# Allegro board MM851_V1.0_180330.brd (continued)
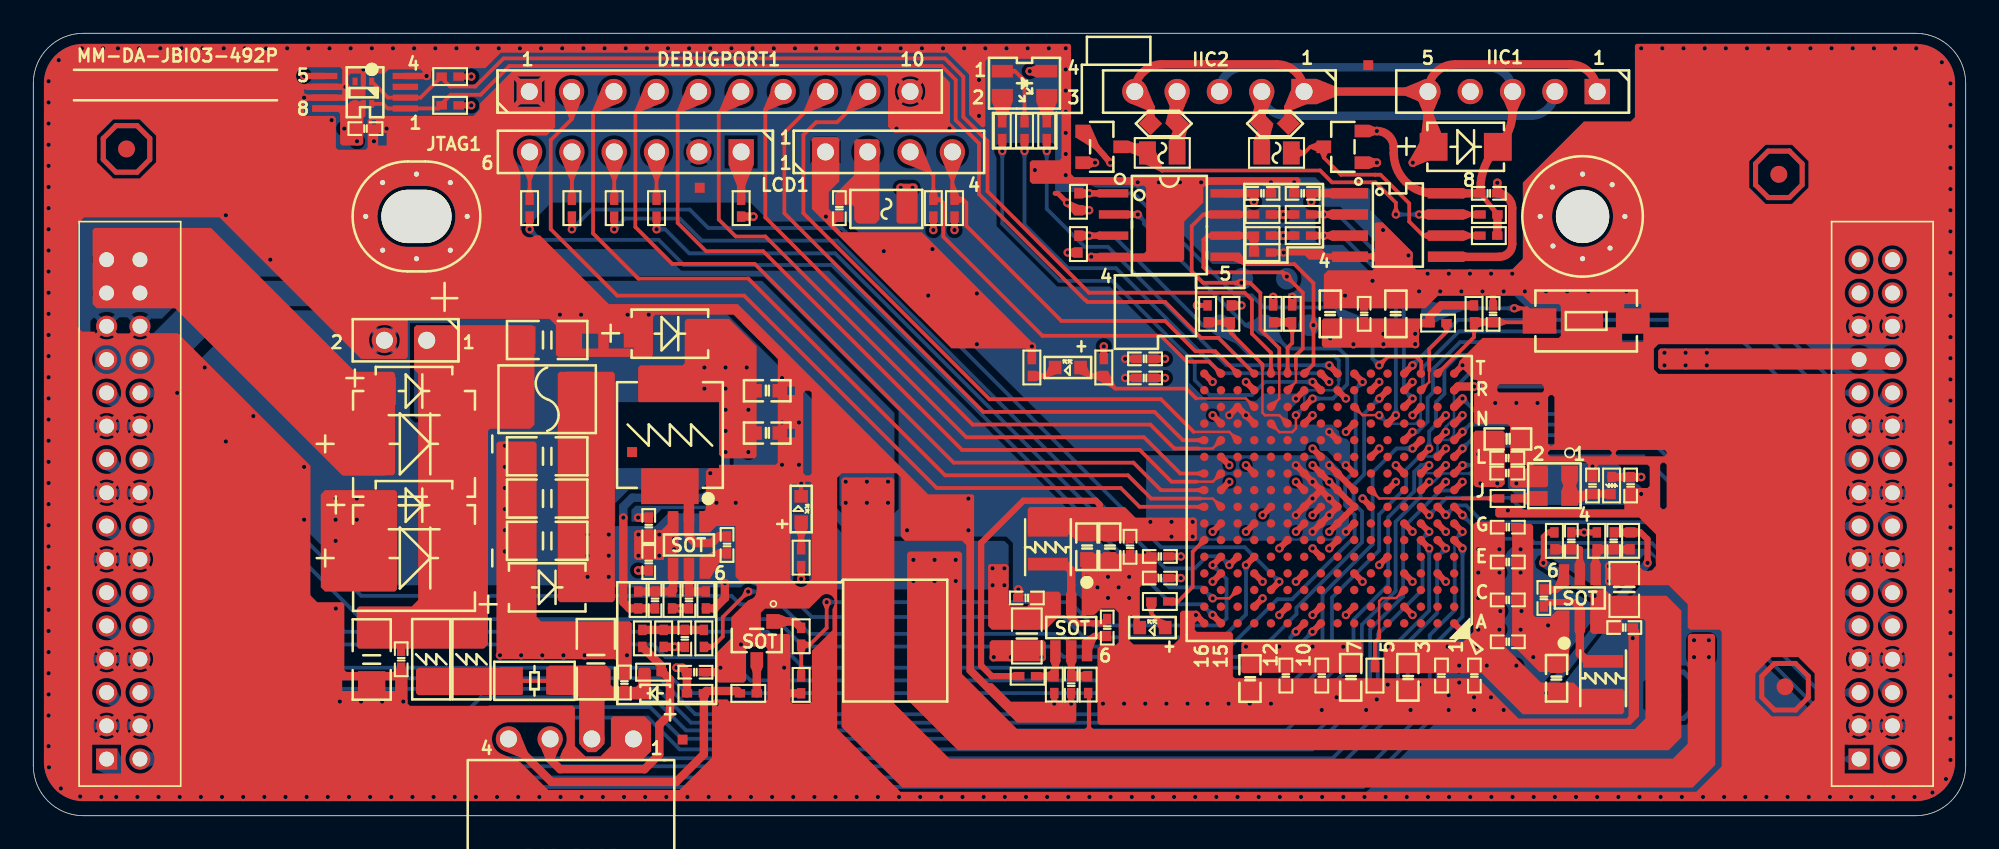
[diagram p0: board, top side]
## Nets (continued)
UART2_TX: DATA2.24 U1.T7(IO_L32N_GCLK28_2)
VFAN12V1: C31.2 C32.2 D7.2(K) FAN1.2 FB2.2 FB3.2 R20.1 R20.2 R21.2
VREF: JTAG1.1 R39.2
N16802585: C2.2 FB1.2 Y1.1(EN) Y1.4(VCC)
N16802779: LED2.1 R12.2
N16806970: D7.1(A) FAN1.3 R21.1 R24.2
N16807106: C34.2 R24.1 R25.2 R26.2
N16808479: JTAG1.6 R35.2
N16808481: JTAG1.5 R36.2
N16808483: JTAG1.3 R38.2
N16808485: JTAG1.4 R37.2
N16808579: LED3.1 R32.2 U1.P13(DONE_2)
N16809477: C37.2 F1.1 LCD1.2
N16810259: LED4.1 R42.1
N16822661: R13.2 Y1.3(OUT)
N16899304: Q1.1(B) R22.1
N16899716: Q1.3(C) R19.2
N17049079: LED1.3 R7.2
N17049112: LED1.1 R4.2
N17049250: LED1.2 R6.2
N17081806: LED3.2 R33.1
N17097069: C45.2 R43.2 U6.5(EN)
N17097175: C42.1 L1.1 U6.2(SW)
N17097179: C42.2 U6.6(VBST)
N17097207: C48.2 R44.1 R45.2 U6.4(VFB)
N17102775: C54.2 R47.1 R48.2 U7.4(VFB)
N17102788: C52.2 R46.2 U7.5(EN)
N17102894: C49.1 L2.1 U7.2(SW)
N17102898: C49.2 U7.6(VBST)
N17105484: R50.1 R51.2 U8.4(VFB)
N17105499: C58.2 R49.2 U8.5(EN)
N17105581: C55.1 L3.1 U8.2(SW)
N17105599: C55.2 U8.6(VBST)

Pads without a net: NOREF#2 0; NOREF#3 0; NOREF#5 1; NOREF#7 1; NOREF#8 1; NOREF#9 0; NOREF#10 0; NOREF#11 1; NOREF#12 1; NOREF#13 1; U1 A2 A3 A4 A5 A6 A7 A8 A11 A12 A13 A14 B1 B2 B3 B5 B6 B8 B10 B12 B14 B15 B16 C1 C2 C3 C5 C6 C7 C8 C9 C10 C11 C13 C15 C16 D1 D3 D5 D6 D8 D9 D11 D12 D14 D16 E1 E2 E3 E4 E6 E7 E8 E10 E11 E12 E16 F4 F5 F6 F7 F9 F10 F12 F13 F14 F15 G5 G6 G11 G12 G14 G16 H4 H5 H11 H13 H14 J4 J11 J12 J13 J14 K5 K6 K11 K12 K14 L4 L5 L7 L8 L10 L11 L12 L13 L14 L16 M5 M6 M7 M9 M10 M11 M12 M13 N3 N4 N6 N8 N9 N14 N16 P2 P5 P6 P8 P9 P11 P15 P16 R2 R7 R12 R14 R15 R16 T5 T6; U2 3; U9 3

## Via types
v1: diameter 0.508, hole 0.254, TOP to BOTTOM, 631 vias

## Routing (per net, layer and track width the routed paths; a pad name or vN(x,y) marks a point on that pad's centre or on a via; arc(x,y) is an arc through that point)
GND: length 481.2
  TOP w0.305: 110.83,28.63 DATA1.28 ; DATA1.28 110.83,30.17 ; DATA1.28 112.37,30.17 ; DATA1.28 112.37,28.63 ; DATA1.8 112.37,10.17 ; DATA1.8 110.83,10.17 ; DATA1.8 110.83,8.63 ; DATA1.8 112.37,8.63 ; 5.63,8.63 DATA2.8 ; DATA2.8 7.17,8.63 ; DATA2.8 5.63,10.17 ; DATA2.8 7.17,10.17 ; DATA1.17 110.37,18.63 ; DATA1.17 108.83,18.63 ; DATA1.17 108.83,20.17 ; DATA1.17 110.37,20.17 ; DEBUGPORT1.1 30.7,44.43 ; DEBUGPORT1.1 28.85,44.43 ; DEBUGPORT1.1 28.73,42.46 ; DEBUGPORT1.1 30.81,42.46 ; 108.83,28.63 DATA1.27 ; DATA1.27 108.83,30.17 ; DATA1.27 110.37,28.63 ; DATA1.27 110.37,30.17 ; DATA2.22 5.63,24.17 ; DATA2.22 5.63,22.63 ; DATA2.22 7.17,24.17 ; DATA2.22 7.17,22.63 ; 5.63,4.63 DATA2.4 ; DATA2.4 7.17,6.17 ; DATA2.4 5.63,6.17 ; DATA2.4 7.17,4.63 ; DATA2.13 5.17,14.63 ; DATA2.13 3.63,14.63 ; DATA2.13 3.63,16.17 ; DATA2.13 5.17,16.17 ; 20.21,27.7 CON1.2 ; CON1.2 21.94,27.7 ; CON1.2 20.21,29.42 ; CON1.2 21.94,29.42 ; U2.2 v1(19.81,44.83) ; DATA1.3 110.37,6.17 ; DATA1.3 110.37,4.63 ; DATA1.3 108.83,4.63 ; DATA1.3 108.83,6.17 ; DATA2.18 7.17,20.17 ; DATA2.18 5.63,20.17 ; DATA2.18 5.63,18.63 ; DATA2.18 7.17,18.63 ; DATA1.22 112.37,24.17 ; DATA1.22 110.83,22.63 ; DATA1.22 110.83,24.17 ; DATA1.22 112.37,22.63 ; DEBUGPORT1.10 53.5,42.64 ; DEBUGPORT1.10 51.77,44.36 ; DEBUGPORT1.10 51.77,42.64 ; DEBUGPORT1.10 53.5,44.36 ; DATA2.7 5.17,10.17 ; DATA2.7 3.63,8.63 ; DATA2.7 5.17,8.63 ; DATA2.7 3.63,10.17 ; DATA2.3 5.17,4.63 ; DATA2.3 3.63,4.63 ; DATA2.3 3.63,6.17 ; DATA2.3 5.17,6.17 ; 110.83,18.63 DATA1.18 ; DATA1.18 112.37,20.17 ; DATA1.18 112.37,18.63 ; DATA1.18 110.83,20.17 ; 5.63,16.17 DATA2.14 ; DATA2.14 7.17,14.63 ; DATA2.14 5.63,14.63 ; DATA2.14 7.17,16.17 ; 110.83,14.63 DATA1.14 ; DATA1.14 112.37,16.17 ; DATA1.14 110.83,16.17 ; DATA1.14 112.37,14.63 ; DATA2.21 3.63,24.17 ; DATA2.21 5.17,22.63 ; DATA2.21 5.17,24.17 ; DATA2.21 3.63,22.63 ; 5.17,28.63 DATA2.27 3.63,28.63 ; 110.83,4.63 DATA1.4 ; DATA1.4 110.83,6.17 ; DATA1.4 112.37,6.17 ; DATA1.4 112.37,4.63 ; DATA1.21 110.37,24.17 ; DATA1.21 110.37,22.63 ; DATA1.21 108.83,24.17 ; DATA1.21 108.83,22.63 ; R5.1 v1(69.86,30.66) ; DATA2.17 3.63,20.17 ; DATA2.17 5.17,20.17 ; DATA2.17 3.63,18.63 ; DATA2.17 5.17,18.63 ; DATA1.13 110.37,14.63 ; DATA1.13 108.83,16.17 ; DATA1.13 108.83,14.63 ; DATA1.13 110.37,16.17 ; 5.63,28.63 DATA2.28 7.17,28.63 ; DATA1.7 110.37,10.17 ; DATA1.7 110.37,8.63 ; DATA1.7 108.83,8.63 ; DATA1.7 108.83,10.17 ; 16.1,43.78 16.45,43.78
  TOP w0.381: U9.4 v1(23.61,44.43) ; U1.N13 v1(72.79,24.06) U1.P14 v1(71.79,24.06) ; v1(18.73,43.78) U9.6 16.45,43.78 ; v1(77.79,17.06) U1.G8 U1.H7 78.97,18.88 U1.J8 v1(77.79,20.06) U1.K9 v1(76.79,21.06) ; U1.T1 v1(85.79,27.06) ; U5.4 v1(63.51,33.58) ; C36.1 87.63,31.37 ; v1(16.26,43.13) U9.7 18.7,43.13 ; U1.P3 v1(82.79,24.06) ; U1.L2 v1(84.79,22.06) ; C17.1 v1(65.54,27.44) ; U1.M8 v1(77.79,23.06) ; R48.1 v1(93.09,17.02) C52.1 ; U1.R6 v1(80.79,26.06) ; U1.H9 v1(76.79,18.06) ; U1.B11 v1(74.79,12.06) ; U1.H12 v1(73.79,18.06) ; C58.1 v1(62.31,6.73) ; U1.T16 v1(70.79,26.06) ; U1.D4 v1(82.79,14.06) ; U1.J5 v1(81.79,20.06) ; U1.R10 v1(75.79,25.06) ; U1.K7 v1(78.79,21.06) ; U1.G2 v1(84.79,17.06) ; U1.G15 v1(70.79,17.06) ; U1.A1 v1(85.79,11.06) ; U1.B7 v1(78.79,12.06) ; C15.1 v1(65.54,26.3) ; v1(73.79,14.06) U1.D13 ; U1.L15 v1(71.79,21.06) ; U1.E9 v1(76.79,16.06) ; R51.1 v1(61.29,6.73) ; U1.A16 v1(69.79,12.06)
  TOP w0.508: C45.1 v1(38.85,12.45) R45.1 ; C28.1 v1(75.69,38.05) ; C35.1 v1(74.3,38.05) ; R26.1 v1(38.48,10.14) C34.1 ; C56.1 v1(59.13,13.59) ; C39.1 v1(36.31,14.73) ; C43.1 v1(36.31,17.91) ; R23.1 45.45,7.35 ; R2.1 v1(75.57,31.16) ; C33.1 41.2,8.62
  ART02 w0.305: 110.83,16.17 DATA1.14 ; DATA1.14 112.37,14.63 ; DATA1.14 112.37,16.17 ; DATA1.14 110.83,14.63 ; 110.83,10.17 DATA1.8 ; DATA1.8 112.37,8.63 ; DATA1.8 112.37,10.17 ; DATA1.8 110.83,8.63 ; DATA2.8 7.17,10.17 ; DATA2.8 5.63,10.17 ; DATA2.8 7.17,8.63 ; DATA2.8 5.63,8.63 ; DATA2.22 7.17,22.63 ; DATA2.22 5.63,22.63 ; DATA2.22 7.17,24.17 ; DATA2.22 5.63,24.17 ; DATA1.13 110.37,14.63 ; DATA1.13 110.37,16.17 ; DATA1.13 108.86,16.14 ; DATA1.13 108.86,14.66 ; DATA1.7 110.37,10.17 ; DATA1.7 108.86,10.14 ; DATA1.7 108.86,8.66 ; DATA1.7 110.37,8.63 ; 5.63,4.63 DATA2.4 ; DATA2.4 7.17,4.63 ; DATA2.4 5.63,6.17 ; DATA2.4 7.17,6.17 ; DATA1.22 112.37,24.17 ; DATA1.22 112.37,22.63 ; DATA1.22 110.83,22.63 ; DATA1.22 110.83,24.17 ; 5.63,30.17 DATA2.28 ; DATA2.28 7.17,28.63 ; DATA2.28 7.17,30.17 ; DATA2.28 5.63,28.63 ; DATA1.17 110.37,20.17 ; DATA1.17 110.37,18.63 ; DATA1.17 108.86,20.14 ; DATA1.17 108.86,18.66 ; DATA1.27 110.21,30.01 ; DATA1.27 110.37,28.63 ; DATA1.27 108.86,28.66 ; 3.63,8.63 DATA2.7 ; DATA2.7 3.63,10.17 ; DATA2.7 5.17,8.63 ; DATA2.7 5.17,10.17 ; DATA1.4 112.37,4.63 ; DATA1.4 112.37,6.17 ; DATA1.4 110.83,4.63 ; DATA1.4 110.83,6.17 ; 3.63,28.63 DATA2.27 ; DATA2.27 5.17,30.17 ; DATA2.27 5.17,28.63 ; DATA2.27 3.63,30.17 ; 110.83,20.17 DATA1.18 ; DATA1.18 110.83,18.63 ; DATA1.18 112.37,18.63 ; DATA1.18 112.37,20.17 ; 3.63,18.63 DATA2.17 ; DATA2.17 3.63,20.17 ; DATA2.17 5.17,20.17 ; DATA2.17 5.17,18.63 ; 3.63,16.17 DATA2.13 ; DATA2.13 5.17,16.17 ; DATA2.13 3.63,14.63 ; DATA2.13 5.17,14.63 ; DATA1.3 110.37,4.63 ; DATA1.3 108.86,4.66 ; DATA1.3 108.86,6.14 ; DATA1.3 110.37,6.17 ; DATA1.28 110.99,30.01 ; DATA1.28 112.37,28.63 ; DATA1.28 110.83,28.63 ; DATA1.28 112.21,30.01 ; DATA2.3 5.17,4.63 ; DATA2.3 5.17,6.17 ; DATA2.3 3.63,6.17 ; DATA2.3 3.63,4.63 ; 5.63,18.63 DATA2.18 ; DATA2.18 7.17,18.63 ; DATA2.18 5.63,20.17 ; DATA2.18 7.17,20.17 ; 3.63,24.17 DATA2.21 ; DATA2.21 3.63,22.63 ; DATA2.21 5.17,22.63 ; DATA2.21 5.17,24.17 ; 5.63,16.17 DATA2.14 ; DATA2.14 5.63,14.63 ; DATA2.14 7.17,16.17 ; DATA2.14 7.17,14.63 ; DATA1.21 108.86,22.66 ; DATA1.21 110.37,24.17 ; DATA1.21 108.86,24.14 ; DATA1.21 110.37,22.63
  ART03 w0.305: 3.57,28.57 DATA2.27 ; DATA2.27 5.23,28.57 ; DATA2.27 3.57,30.23 ; DATA2.27 5.23,30.23 ; DATA2.22 7.23,22.57 ; DATA2.22 7.23,24.23 ; DATA2.22 5.57,22.57 ; DATA2.22 5.57,24.23 ; 3.57,14.57 DATA2.13 ; DATA2.13 5.23,16.23 ; DATA2.13 5.23,14.57 ; DATA2.13 3.57,16.23 ; JTAG1.2 40.87,40.79 ; JTAG1.2 40.87,38.96 ; JTAG1.2 39.03,38.96 ; JTAG1.2 39.03,40.79 ; DATA2.18 7.23,18.57 ; DATA2.18 7.23,20.23 ; DATA2.18 5.57,18.57 ; DATA2.18 5.57,20.23 ; DEBUGPORT1.10 53.55,42.58 ; DEBUGPORT1.10 53.55,44.42 ; DEBUGPORT1.10 51.72,42.58 ; DEBUGPORT1.10 51.72,44.42 ; DATA1.3 110.43,4.57 ; DATA1.3 108.77,6.23 ; DATA1.3 110.43,6.23 ; DATA1.3 108.77,4.57 ; 110.77,20.23 DATA1.18 ; DATA1.18 112.43,18.57 ; DATA1.18 112.43,20.23 ; DATA1.18 110.77,18.57 ; DATA1.21 110.43,22.57 ; DATA1.21 108.77,24.23 ; DATA1.21 108.77,22.57 ; DATA1.21 110.43,24.23 ; 110.77,16.23 DATA1.14 ; DATA1.14 110.77,14.57 ; DATA1.14 112.43,16.23 ; DATA1.14 112.43,14.57 ; 3.57,22.57 DATA2.21 ; DATA2.21 5.23,22.57 ; DATA2.21 3.57,24.23 ; DATA2.21 5.23,24.23 ; 20.16,29.48 CON1.2 ; CON1.2 21.99,27.64 ; CON1.2 21.99,29.48 ; CON1.2 20.16,27.64 ; DATA1.28 112.43,28.57 ; DATA1.28 112.43,30.23 ; DATA1.28 110.77,30.23 ; DATA1.28 110.77,28.57 ; 5.57,6.23 DATA2.4 ; DATA2.4 5.57,4.57 ; DATA2.4 7.23,6.23 ; DATA2.4 7.23,4.57 ; DATA2.3 5.23,4.57 ; DATA2.3 3.57,6.23 ; DATA2.3 3.57,4.57 ; DATA2.3 5.23,6.23 ; DATA2.7 5.23,10.23 ; DATA2.7 3.57,10.23 ; DATA2.7 5.23,8.57 ; DATA2.7 3.57,8.57 ; DATA1.7 110.43,8.57 ; DATA1.7 108.77,10.23 ; DATA1.7 108.77,8.57 ; DATA1.7 110.43,10.23 ; 110.77,22.57 DATA1.22 ; DATA1.22 112.43,22.57 ; DATA1.22 110.77,24.23 ; DATA1.22 112.43,24.23 ; 46.64,40.79 LCD1.1 ; LCD1.1 48.47,40.79 ; LCD1.1 48.47,38.96 ; LCD1.1 46.64,38.96 ; 28.86,42.58 DEBUGPORT1.1 ; DEBUGPORT1.1 30.69,44.42 ; DEBUGPORT1.1 28.86,44.42 ; DEBUGPORT1.1 30.69,42.58 ; DATA2.28 7.23,28.57 ; DATA2.28 5.57,28.57 ; DATA2.28 5.57,30.23 ; DATA2.28 7.23,30.23 ; 3.57,18.57 DATA2.17 ; DATA2.17 5.23,20.23 ; DATA2.17 3.57,20.23 ; DATA2.17 5.23,18.57 ; 108.77,28.57 DATA1.27 ; DATA1.27 110.43,30.23 ; DATA1.27 108.77,30.23 ; DATA1.27 110.43,28.57 ; DATA1.17 110.43,18.57 ; DATA1.17 110.43,20.23 ; DATA1.17 108.77,18.57 ; DATA1.17 108.77,20.23 ; DATA2.14 7.23,16.23 ; DATA2.14 7.23,14.57 ; DATA2.14 5.57,14.57 ; DATA2.14 5.57,16.23 ; 108.77,14.57 DATA1.13 ; DATA1.13 110.43,16.23 ; DATA1.13 110.43,14.57 ; DATA1.13 108.77,16.23 ; 110.77,10.23 DATA1.8 ; DATA1.8 110.77,8.57 ; DATA1.8 112.43,10.23 ; DATA1.8 112.43,8.57 ; 35.11,5.53 FAN1.1 ; FAN1.1 36.94,5.53 ; FAN1.1 36.94,3.69 ; FAN1.1 35.11,3.69 ; DATA2.8 7.23,8.57 ; DATA2.8 5.57,10.23 ; DATA2.8 7.23,10.23 ; DATA2.8 5.57,8.57 ; 110.77,6.23 DATA1.4 ; DATA1.4 110.77,4.57 ; DATA1.4 112.43,4.57 ; DATA1.4 112.43,6.23
  BOTTOM w0.305: 3.57,30.23 DATA2.27 5.23,30.23 ; 51.77,44.36 DEBUGPORT1.10 ; DEBUGPORT1.10 51.77,42.64 ; DEBUGPORT1.10 53.5,42.64 ; DEBUGPORT1.10 53.5,44.36 ; DATA1.28 110.83,30.17 ; DATA1.28 110.83,28.63 ; DATA1.28 112.37,30.17 ; DATA1.28 112.37,28.63 ; JTAG1.2 40.81,40.74 ; JTAG1.2 40.81,39.01 ; JTAG1.2 39.09,40.74 ; JTAG1.2 39.09,39.01 ; LCD1.1 48.59,40.92 ; LCD1.1 48.59,38.83 ; LCD1.1 46.51,38.83 ; LCD1.1 46.51,40.92 ; 5.57,30.23 DATA2.28 7.23,30.23 ; 110.37,28.63 DATA1.27 ; DATA1.27 108.83,28.63 ; DATA1.27 108.83,30.17 ; DATA1.27 110.37,30.17 ; DEBUGPORT1.1 30.81,42.46 ; DEBUGPORT1.1 30.81,44.54 ; DEBUGPORT1.1 28.73,44.54 ; DEBUGPORT1.1 28.73,42.46
  BOTTOM w0.508: 2.93,15.4 DATA2.13 DATA2.14 ; 113.07,15.4 DATA1.14 DATA1.13 ; DATA2.22 DATA2.21 2.93,23.4 ; CON1.2 21.99,29.48 ; CON1.2 21.99,27.64 ; CON1.2 20.16,29.48 ; CON1.2 20.16,27.64 ; 113.07,9.4 DATA1.8 DATA1.7 ; DATA2.4 DATA2.3 2.93,5.4 ; DATA1.17 DATA1.18 113.07,19.4 ; DATA2.8 DATA2.7 2.93,9.4 ; DATA1.3 DATA1.4 113.07,5.4 ; DATA1.21 DATA1.22 113.07,23.4 ; DATA2.18 DATA2.17 2.93,19.4
  vias: v1(0.92,44.12) v1(0.92,42.85) v1(0.92,41.58) v1(0.92,40.31) v1(0.92,39.04) v1(0.92,37.77) v1(0.92,36.5) v1(0.92,35.23) v1(0.92,33.96) v1(0.92,32.69) v1(0.92,31.42) v1(0.92,30.15) v1(0.92,28.88) v1(0.92,27.61) v1(0.92,26.34) v1(0.92,25.07) v1(0.92,23.8) v1(0.92,22.53) v1(0.92,21.26) v1(0.92,19.99) v1(0.92,18.72) v1(0.92,17.45) v1(0.92,16.18) v1(0.92,14.91) v1(0.92,13.64) v1(0.92,12.37) v1(0.92,11.1) v1(0.92,9.83) v1(0.92,8.56) v1(0.92,7.29) v1(0.92,6.02) v1(0.92,4.18) v1(0.94,2.91) v1(1.53,45.39) v1(1.65,1.64) v1(2.81,1.15) v1(2.92,46.1) v1(4.08,1.13) v1(4.19,46.1) v1(4.98,1.13) v1(5.08,46.1) v1(6.25,1.13) v1(6.35,46.1) v1(7.52,1.13) v1(7.62,46.1) v1(8.64,25.4) v1(8.79,1.13) v1(8.89,46.1) v1(10.06,1.13) v1(10.16,46.1) v1(10.29,26.92) v1(11.33,1.13) v1(11.43,46.1) v1(11.56,36.07) v1(11.56,22.48) v1(12.6,1.13) v1(12.7,46.1) v1(13.21,24) v1(13.87,1.13) v1(13.97,46.1) v1(14.22,33.4) v1(15.14,1.13) v1(15.24,46.1) v1(16.26,20.95) v1(16.26,17.78) v1(16.41,1.13) v1(16.51,46.1) v1(17.68,1.13) v1(17.78,46.1) v1(17.91,41.78) v1(18.16,12.45) v1(18.4,6.86) v1(18.95,1.13) v1(19.05,46.1) v1(19.67,6.86) v1(20.22,1.13) v1(20.32,46.1) v1(20.45,40.51) v1(20.94,6.86) v1(21.21,41.27) v1(21.49,1.13) v1(21.59,46.1) v1(22.21,6.86) v1(22.76,1.13) v1(22.86,46.1) v1(24.03,1.13) v1(24.13,46.1) v1(25.3,1.13) v1(25.4,46.1) v1(26.57,1.13) v1(26.67,46.1) v1(27.84,1.13) v1(27.94,46.1) v1(28.02,9.64) v1(28.31,22.23) v1(28.31,20.95) v1(28.31,19.68) v1(28.31,18.41) v1(28.31,17.14) v1(28.31,15.88) v1(29.11,1.13) v1(29.21,46.1) v1(29.29,9.64) v1(30.38,1.13) v1(30.48,46.1) v1(30.56,9.64) v1(31.61,30.1) v1(31.65,1.13) v1(31.75,46.1) v1(31.83,9.64) v1(32.88,30.1) v1(32.92,1.13) v1(33.02,46.1) v1(33.1,9.64) v1(34.19,1.13) v1(34.29,46.1) v1(35.46,1.13) v1(35.56,46.1) v1(35.64,9.64) v1(35.67,30.1) v1(36.73,1.13) v1(36.83,46.1) v1(36.94,30.1) v1(38,1.13) v1(38.1,46.1) v1(39.27,1.13) v1(39.37,46.1) v1(40.54,1.13) v1(40.64,46.1) v1(40.64,20.57) v1(41.01,18.8) v1(41.02,6.71) v1(41.25,8.89) v1(41.81,1.13) v1(41.91,46.1) v1(42.16,18.8) v1(42.48,10.29) v1(43.08,1.13) v1(43.18,46.1) v1(44.35,1.13) v1(44.45,46.1) v1(44.94,26.29) v1(44.94,23.62) v1(44.94,21.08) v1(45.07,8.89) v1(45.62,1.13) v1(45.72,46.1) v1(45.96,23.62) v1(45.96,21.08) v1(46.09,19.95) v1(46.89,1.13) v1(46.99,46.1) v1(47.58,35.99) v1(48.16,1.13) v1(48.26,46.1) v1(49.43,1.13) v1(49.53,46.1) v1(50.7,1.13) v1(50.8,46.1) v1(51.05,33.91) v1(51.82,41.27) v1(51.97,1.13) v1(52.07,46.1) v1(52.45,17.14) v1(53.24,1.13) v1(53.34,46.1) v1(53.72,31.24) v1(53.98,34.04) v1(54.51,1.13) v1(54.61,46.1) v1(54.99,41.27) v1(55.78,1.13) v1(55.88,46.1) v1(56.13,19.05) v1(56.13,17.14) v1(56.64,31.37) v1(56.64,28.32) v1(56.77,44.2) v1(56.77,42.04) v1(57.05,1.13) v1(57.15,46.1) v1(57.66,9.53) v1(58.32,1.13) v1(58.42,46.1) v1(58.67,9.53) v1(59.59,1.13) v1(59.69,46.1) v1(59.94,28.19) v1(60.12,38.78) v1(60.53,9.53) v1(60.86,1.13) v1(60.96,46.1) v1(61.98,46.1) v1(61.98,44.83) v1(61.98,43.56) v1(61.98,42.29) v1(61.98,41.02) v1(61.98,39.75) v1(61.98,38.48) v1(62.13,1.13) v1(63.25,14.35) v1(63.4,1.13) v1(63.88,13.72) v1(64.21,6.73) v1(64.52,14.35) v1(64.52,13.08) v1(64.67,1.13) v1(65.15,13.72) v1(65.48,6.73) v1(65.79,14.35) v1(65.79,13.08) v1(65.94,1.13) v1(66.29,38.05) v1(66.75,6.73) v1(67.21,1.13) v1(67.56,38.05) v1(68.02,6.73) v1(68.48,1.13) v1(68.83,38.05) v1(69.29,6.73) v1(69.75,1.13) v1(70.1,38.05) v1(70.48,6.73) v1(71.02,1.13) v1(71.75,6.73) v1(72.29,1.13) v1(73.03,6.73) v1(73.56,1.13) v1(74.3,6.73) v1(74.83,1.13) v1(75.06,33.83) v1(76.1,1.13) v1(77.34,6.35) v1(77.37,1.13) v1(78.23,7.11) v1(78.64,1.13) v1(78.74,31.24) v1(79.91,1.13) v1(80.01,6.35) v1(80.39,32.13) v1(80.64,6.99) v1(81.03,35.18) v1(81.18,1.13) v1(81.31,7.87) v1(82.45,1.13) v1(82.55,33.66) v1(82.68,6.35) v1(83.19,31.5) v1(83.21,7.87) v1(83.7,32.56) v1(83.72,1.13) v1(84.45,31.5) v1(84.97,32.56) v1(84.96,7.24) v1(84.96,6.35) v1(84.99,1.13) v1(85.6,8) v1(85.72,31.5) v1(86.24,32.56) v1(86.26,1.13) v1(86.49,7.11) v1(86.49,6.35) v1(87,31.5) v1(87.51,32.56) v1(87.5,7.11) v1(87.53,1.13) v1(87.76,24.79) v1(88.27,31.5) v1(88.27,6.35) v1(88.52,18.34) v1(88.78,32.56) v1(88.8,1.13) v1(89.03,24.79) v1(89.03,19.96) v1(89.28,16) v1(89.28,14.61) v1(89.33,12.29) v1(89.28,11.18) v1(89.53,31.5) v1(89.53,20.95) v1(90.04,9.53) v1(90.07,1.13) v1(90.3,24.79) v1(90.81,31.5) v1(90.93,11.43) v1(91.34,1.13) v1(92.08,31.5) v1(92.61,1.13) v1(93.34,31.5) v1(93.6,20.98) v1(93.88,1.13) v1(94.59,14.99) v1(94.59,14.1) v1(95.15,1.13) v1(95.63,31.5) v1(96.01,10.67) v1(96.42,1.13) v1(96.52,46.1) v1(96.52,19.33) v1(97.69,1.13) v1(97.79,46.1) v1(98.96,1.13) v1(99.06,46.1) v1(100.23,1.13) v1(100.33,46.1) v1(101.5,1.13) v1(101.6,46.1) v1(102.77,1.13) v1(102.87,46.1) v1(104.04,1.13) v1(104.14,46.1) v1(105.31,1.13) v1(105.41,46.1) v1(106.58,1.13) v1(106.68,46.1) v1(107.85,1.13) v1(107.95,46.1) v1(109.12,1.13) v1(109.22,46.1) v1(110.39,1.13) v1(110.49,46.1) v1(111.66,1.13) v1(111.76,46.1) v1(112.93,1.13) v1(113.03,46.1) v1(114,1.39) v1(114.57,45.26) v1(114.81,2.21) v1(115.09,43.99) v1(115.09,42.72) v1(115.09,41.45) v1(115.09,40.18) v1(115.09,38.91) v1(115.09,37.64) v1(115.09,36.37) v1(115.09,35.1) v1(115.09,33.83) v1(115.09,32.56) v1(115.09,31.29) v1(115.09,30.02) v1(115.09,28.75) v1(115.09,27.48) v1(115.09,26.21) v1(115.09,24.94) v1(115.09,23.67) v1(115.09,22.4) v1(115.09,21.13) v1(115.09,19.86) v1(115.09,18.59) v1(115.09,17.32) v1(115.09,16.05) v1(115.09,14.78) v1(115.09,13.51) v1(115.09,12.24) v1(115.09,10.97) v1(115.09,9.7) v1(115.09,8.43) v1(115.09,7.16) v1(115.09,5.89) v1(115.09,4.62) v1(115.09,3.35)
GND_IIC: length 76.6
  TOP w0.381: D1.1 v1(64.65,39.23)
  TOP w0.508: v1(82.81,39.23) 83.76,40.18 TVS1.1 arc(83.81,40.55) 83.72,40.99 IIC1.5 ; v1(87.88,38.02) C27.1 arc(88.52,37.12) 88.78,36.49 88.78,34.34 arc(88.56,33.8) 88.02,33.58 U4.5 ; D2.1 v1(80.65,39.23) ; IIC2.1 75.34,42.56 E2.2 ; IIC2.1 IIC1.5 ; IIC2.1 arc(75.8,44.65) 74.65,45.13 67.75,45.13 arc(66.6,44.65) IIC2.5 67.06,42.56 E1.2 ; IIC1.5 arc(84.2,44.65) 85.35,45.13 92.25,45.13 arc(93.4,44.65) IIC1.1
  ART02 w0.508: v1(64.65,39.23) v1(80.65,39.23) v1(82.81,39.23) arc(85.42,38.92) v1(87.88,38.02)
VCC1V2: length 32
  TOP w0.381: U1.J7 U1.K8 v1(77.79,21.06) ; U1.G7 v1(78.79,17.06) ; U1.H10 76.62,18.88 ; U1.H10 76.62,18.88 ; U1.H10 v1(75.79,18.06) ; 76.62,18.88 v1(76.79,19.06) U1.J9 ; 76.62,18.88 U1.J9 ; R50.2 57.53,8.38 56.9,9.02 56.9,16.38 59.44,18.92 63.78,18.92 64.01,18.69 64.01,18.29 ; U1.J9 v1(76.79,20.06) U1.K10 v1(75.79,21.06) ; U1.J9 v1(77.79,19.06) U1.H8 ; U1.J9 U1.H8 ; U1.H8 v1(77.8,18.06) U1.G9 v1(76.79,17.06)
  vias: v1(67.06,17.65) v1(68.33,17.65) v1(68.33,16.76) v1(69.6,17.65) v1(69.6,16.76)
VCC3V3: length 56.9
  TOP w0.305: R3.1 v1(72.52,30.66) ; 61.34,37.39 61.5,37.39 v1(62.06,36.83) 62.52,36.37 R31.2
  TOP w0.381: U1.D15 v1(70.79,14.06) ; C17.2 v1(67.93,27.44) ; U1.F8 v1(77.79,16.06) ; U1.J10 v1(75.79,20.06) ; R27.1 v1(62.1,33.83) ; U1.N7 v1(78.8,23.06) ; U1.N15 v1(70.79,24.06) ; R31.2 v1(63.38,36.37) ; R40.2 v1(54.03,35.18) ; U1.N10 v1(76.79,24.06) ; U1.K13 v1(72.79,21.06) ; R41.2 v1(55.3,35.18) ; 25.53,42.67 v1(26.29,42.67) ; U1.H6 v1(79.79,19.06) ; U1.R13 v1(72.79,26.06) ; U1.L6 v1(80.79,22.06) ; U1.R4 v1(82.79,26.06) ; R32.1 v1(64.26,28.19) ; C18.2 v1(68.88,14.27) ; 25.53,44.4 v1(26.29,44.4) ; U1.L9 v1(76.79,22.06) ; U1.G13 v1(72.79,17.06) ; R42.2 v1(46.09,14.22) ; U1.E5 v1(80.79,15.06) ; C16.2 v1(68.88,15.57) ; U1.F11 v1(74.79,16.06) ; U1.G10 v1(75.79,17.06) ; U1.R8 78.3,25.56 v1(78.79,25.06) ; U1.J15 v1(71.79,20.06) ; U9.5 v1(16.26,44.43) ; C15.2 v1(67.93,26.3)
  TOP w0.508: R29.2 v1(75.06,34.85) R17.2 ; R28.1 v1(75.06,36.12) R16.2 ; v1(76.71,36.88) C28.2 U4.1 ; v1(73.28,36.88) C35.2 U5.8 ; v1(35.42,17.91) 35.42,12.82 35.79,12.45 R44.2 C48.1 ; R1.1 v1(74.43,31.16) ; R34.1 84.5,30.66 83.82,29.97 R8.1 ; LED1.4 v1(59.82,44.72) ; v1(38.61,8.89) 38.97,8.89 C33.2 R18.1 ; R39.1 v1(43.23,35.99)
  BOTTOM w0.508: v1(41.55,21.84) 41.55,20.38 40.27,19.1 35.95,19.1 35.42,18.57 v1(35.42,17.91)
  vias: v1(18.67,41.27) v1(19.43,40.51) v1(40.28,26.92) v1(40.28,25.65) v1(41.55,26.92) v1(41.55,25.65) v1(41.55,24.38) v1(41.55,23.11) v1(42.82,26.92) v1(42.93,24.38) v1(42.93,21.84) v1(52.07,37.72) v1(52.78,37.72) v1(77.85,28.68) v1(79.25,28.32) v1(81.05,28.95) v1(81.05,28.33) v1(82.95,28.95) v1(82.95,28.33)
VCC12V: length 8.3
  TOP w0.305: R46.1 90.9,17.02 90.64,16.76 v1(90.64,15.19)
  TOP w0.508: R43.1 40.89,12.45 41.52,13.08 v1(41.52,13.97)
  BOTTOM w0.508: v1(93.73,13.21) v1(90.64,15.19)
  vias: v1(33.27,16.89) v1(33.27,15.62) v1(33.27,14.35) v1(34.54,16.89) v1(34.54,15.62) v1(34.54,14.35) v1(36.32,16.89) v1(36.32,15.62) v1(37.58,16.89) v1(37.58,15.62) v1(38.47,16.64) v1(38.47,16) v1(52.83,15.37) v1(52.83,14.1) v1(54.1,15.37) v1(54.1,14.1) v1(55.37,15.37) v1(55.37,14.1) v1(57.58,14.86) v1(57.58,13.84) v1(58.29,14.86) v1(58.29,13.84)
VCC12VIN_1:
  vias: v1(18.15,19.05) v1(18.15,17.78) v1(18.15,16.51) v1(19.42,19.05) v1(19.42,17.78)
VCCIO: length 22.4
  TOP w0.381: U1.K4 v1(81.79,21.06) ; U1.D2 v1(84.79,14.06) ; U1.N2 v1(84.79,24.06) ; U1.J2 v1(84.79,20.06) ; C54.1 R47.2 96.48,17.02 96.9,16.6 v1(96.9,15.19) ; U1.B13 v1(73.79,13.06) ; U1.D7 v1(79.79,14.06) ; U1.B4 v1(82.79,12.06) ; U1.G4 82.3,17.56 v1(82.79,17.06) ; U1.D10 v1(75.79,14.06) ; U1.B9 v1(76.79,12.06)
  TOP w0.508: FB1.1 C3.2 v1(96.52,20.34)
  BOTTOM w0.508: v1(90.81,7.37) v1(96.9,15.19)
  vias: v1(48.77,20.07) v1(48.77,18.8) v1(50.04,20.07) v1(50.04,18.8) v1(51.31,20.07) v1(51.31,18.8) v1(72.79,10.16) v1(74.79,10.16) v1(76.79,10.16) v1(78.64,10.15) v1(81.3,10.16) v1(83.1,10.16) v1(84.9,10.16) v1(85.6,9.02) v1(86.74,21.72) v1(86.74,16) v1(86.74,14.61) v1(86.74,13.08) v1(86.74,11.18) v1(86.69,10.16) v1(86.87,19.96) v1(87.25,9.02) v1(87.88,19.96) v1(88.01,16) v1(88.01,14.61) v1(88.01,11.18) v1(88.06,12.29) v1(89.03,9.02) v1(97.92,27.81) v1(97.92,27.05) v1(99.19,27.81) v1(99.19,27.05) v1(99.69,10.54) v1(99.69,9.53) v1(100.46,27.81) v1(100.46,27.05) v1(100.58,10.54) v1(100.58,9.53)
AUC_VIN: length 56.6
  TOP w0.305: R15.2 C27.2
  TOP w0.381: D1.2 v1(63.74,39.23)
  TOP w0.508: R15.2 87.89,35.37 87.88,35.37 R14.2 ; IIC1.3 88.8,42.32 arc(88.57,41.16) TVS1.2 arc(87.14,39.02) 86.87,37.66 C27.2 U4.8 84.08,37.39 arc(83.88,37.39) 83.69,37.42 arc(82.24,38.24) 81.67,39.8 81.67,40.11 arc(81.37,40.83) v1(80.65,41.13) D2.2
  ART02 w0.508: v1(63.74,39.23) arc(64.05,40.13) 64.9,40.56 arc(72.77,40.99) v1(80.65,41.13)
  BOTTOM w0.508: IIC1.3 arc(88.73,43.94) 88.53,44.34 arc(88.01,44.79) 87.35,44.96 72.66,44.96 arc(71.63,44.53) IIC2.3
CI_0: length 91.9
  TOP w0.381: U1.M3 82.8,22.06 v1(82.79,22.06)
  BOTTOM w0.229: DATA2.16 9.27,17.4 17.78,8.89 37.71,8.89 39.23,7.37 74.93,7.37 77.39,9.83 77.39,13.3 80.4,16.3 80.4,20.62 81.83,22.06 v1(82.79,22.06)
CI_1: length 92.3
  TOP w0.381: U1.F2 v1(84.79,16.06)
  BOTTOM w0.229: DATA2.5 5.4,6.4 9.6,6.4 12.57,3.43 26.2,3.43 26.66,2.97 78.41,2.97 82.5,7.07 82.5,10.41 84.27,12.18 84.27,15.54 v1(84.79,16.06)
CI_2: length 34.1
  TOP w0.381: U1.M2 v1(84.79,23.06)
  BOTTOM w0.152: v1(84.79,23.06) 84.79,23.36 85.28,23.85 85.28,25.64 85.42,25.78
  BOTTOM w0.229: DATA1.16 110.6,18.4 108.98,18.4 101.73,25.65 96.65,25.65 95.63,26.67 86.31,26.67 85.42,25.78
CI_3: length 31.8
  TOP w0.381: U1.H3 83.3,18.56 v1(83.79,18.06)
  BOTTOM w0.229: v1(83.79,18.06) 84.84,19.1 88.66,19.1 89.47,18.29 97.7,18.29 108.58,7.4 DATA1.5
CO_0: length 98.9
  TOP w0.381: U1.N1 v1(85.79,24.06)
  BOTTOM w0.152: v1(85.79,24.06) 85.79,23.82 85.28,23.31 85.28,22.86 84.99,22.57 84.55,22.57 84.29,22.32 84.29,21.87 83.99,21.57 83.44,21.57
  BOTTOM w0.229: DATA2.15 5.4,16.4 8.74,16.4 16.89,8.26 37.58,8.26 39.74,6.1 74.55,6.1 77.96,9.5 77.96,13.1 80.79,15.93 80.79,18.1 82.41,19.72 82.41,20.78 83.2,21.57 83.44,21.57
CO_1: length 88.9
  TOP w0.381: U1.F3 v1(83.79,16.06)
  BOTTOM w0.229: v1(83.79,16.06) 83.79,12.32 81.92,10.45 81.92,7.37 78,3.45 27.4,3.45 26.78,4.06 13.46,4.06 10.12,7.4 DATA2.6
CO_2: length 27.9
  TOP w0.508: v1(86.49,25.78) 85.52,25.78 U1.R1
  BOTTOM w0.229: DATA1.15 108.58,17.4 101.09,24.89 96.14,24.89 95.25,25.78 v1(86.49,25.78)
CO_3: length 35.5
  TOP w0.381: U1.J3 v1(83.79,20.06)
  BOTTOM w0.152: v1(83.79,20.06) 84.07,20.06 84.57,20.56 86.21,20.56
  BOTTOM w0.229: DATA1.6 110.6,8.4 109.07,8.4 108.33,9.14 108.33,9.91 96.65,21.59 88.52,21.59 87.49,20.56 86.21,20.56
DEBUG_P2: length 54.9
  TOP w0.229: DEBUGPORT1.2 32.31,41.84 31.06,40.59 31.06,35.23 35.05,31.24 42.67,31.24 54.23,19.68 65.28,19.68 66.41,18.56 U1.H16
DEBUG_P3: length 53.5
  TOP w0.152: 70.08,19.05 70.8,19.05 U1.H15
  TOP w0.229: DEBUGPORT1.3 33.6,42.25 33.6,34.98 36.32,32.26 42.93,32.26 54.74,20.45 65.71,20.45 67.11,19.05 70.08,19.05
DEBUG_P4: length 49.4
  TOP w0.229: U1.J16 67.69,19.56 66.04,21.21 55.24,21.21 43.31,33.15 38.35,33.15 36.14,35.36 36.14,42.25 DEBUGPORT1.4
DEBUG_P5: length 47.7
  TOP w0.152: U1.K15 70.8,20.07 69.85,20.07
  TOP w0.229: DEBUGPORT1.5 38.68,42.25 38.68,35.61 40.39,33.91 43.81,33.91 55.75,21.97 66.42,21.97 68.33,20.07 69.85,20.07
DEBUG_P6: length 43.7
  TOP w0.229: U1.K16 68.85,20.56 66.67,22.73 56.01,22.73 43.94,34.8 42.16,34.8 41.15,35.81 41.15,42.18 DEBUGPORT1.6
DEBUG_P7: length 41.3
  TOP w0.152: U1.M15 70.79,22.06 69.96,22.06
  TOP w0.229: 69.96,22.06 68.49,22.06 67.06,23.5 56.39,23.5 43.94,35.94 43.94,42.43 DEBUGPORT1.7
DEBUG_P8: length 39.2
  TOP w0.229: DEBUGPORT1.8 45.09,41.03 45.09,36.2 57.02,24.26 67.31,24.26 69.01,22.56 U1.M16
DEBUG_P9: length 41.4
  TOP w0.152: 69.65,23.06 71.79,23.06 U1.M14
  TOP w0.229: DEBUGPORT1.9 48.25,41.66 46.99,41.66 46.23,40.89 46.23,36.2 57.4,25.02 67.69,25.02 69.65,23.06
DI_0: length 91.9
  TOP w0.381: U1.K3 v1(83.79,21.06)
  BOTTOM w0.229: DATA2.12 10.35,13.4 16.13,7.62 37.45,7.62 39.48,5.59 74.93,5.59 79.25,9.91 79.25,11.77 81.33,13.85 81.33,17.92 82.89,19.48 82.89,20.65 83.3,21.06 v1(83.79,21.06)
DI_1: length 93.6
  TOP w0.381: U1.F1 v1(85.79,16.06)
  BOTTOM w0.229: v1(85.79,16.06) 85.79,11.97 84.3,10.47 84.3,6.19 79.83,1.72 6.08,1.72 DATA2.1
DI_2: length 31.3
  TOP w0.508: U1.P1 v1(85.79,25.06)
  BOTTOM w0.229: DATA1.12 110.6,14.4 109.17,14.4 99.44,24.13 86.72,24.13 v1(85.79,25.06)
DI_3: length 31.4
  TOP w0.381: U1.H1 v1(85.79,18.06)
  BOTTOM w0.229: v1(85.79,18.06) 87.21,16.64 89.84,16.64 90.1,16.38 97.16,16.38 107.44,6.1 107.44,4.66 108.7,3.4 DATA1.1
DO_0: length 80.4
  TOP w0.381: U1.A9 v1(76.79,11.06)
  BOTTOM w0.229: v1(76.79,11.06) 76.2,10.46 76.2,9.54 74.79,8.13 43.05,8.13 41.66,9.53 37.96,9.53 37.2,10.29 17.78,10.29 7.67,20.4 5.4,20.4 DATA2.19
DO_1: length 94.4
  TOP w0.381: U1.J1 v1(85.79,20.06)
  BOTTOM w0.229: v1(85.79,20.06) 85.27,19.54 84.47,19.54 82.23,17.3 82.23,13.18 80.25,11.2 80.25,8.24 76.63,4.62 38.93,4.62 37.02,6.53 27.43,6.53 26.23,5.33 15.49,5.33 9.43,11.4 DATA2.10
DO_2: length 33.7
  TOP w0.381: U1.L3 v1(83.79,22.06)
  BOTTOM w0.229: DATA1.19 108.2,21.4 103.19,26.42 97.28,26.42 96.01,27.69 85.55,27.69 84.71,26.85 84.71,25.35 84.2,24.84 84.2,23.49 83.79,23.08 v1(83.79,22.06)
DO_3: length 31.6
  TOP w0.381: U1.L1 v1(85.79,22.06)
  BOTTOM w0.229: v1(85.79,22.06) 86.6,22.86 98.17,22.86 108.63,12.4 110.6,12.4 DATA1.10
FAN_PWM: length 19.4
  TOP w0.508: R19.1 42.27,7.49 40.4,7.49 R18.2 40.25,3.69 38.59,2.03 31.11,2.03 FAN1.4
FAN_SPEED1: length 40
  TOP w0.229: R25.1 40.77,10.14 41.39,10.76 41.39,11.94 v1(42.91,13.46)
  TOP w0.381: U1.E13 v1(72.79,15.06)
  BOTTOM w0.229: v1(42.91,13.46) 45.21,13.46 46.74,11.94 61.85,11.94 63.07,10.72 71.42,10.72 72.79,12.09 v1(72.79,15.06)
FP_I2C_SCL: length 23
  TOP w0.508: PS2.1 E2.1 IIC2.2
  BOTTOM w0.508: IIC2.2 arc(74.17,42.47) 75.2,42.04 89.89,42.04 arc(90.91,42.47) IIC1.2
FP_I2C_SDA: length 23.7
  TOP w0.508: IIC2.4 E1.1 PS1.1
  ART03 w0.508: IIC2.4 70.88,41.28 arc(72.1,40.47) 73.54,40.18 81.67,40.18 arc(82.84,40.41) 83.84,41.08 IIC1.4
FPGA_CLK: length 7.9
  TOP w0.152: 85.77,19.06 80.79,19.06 U1.J6
  TOP w0.229: R13.1 85.77,19.06
FPGA_CS: length 27.9
  TOP w0.229: v1(80.79,27.06) 81.32,27.58 83.01,27.58 83.32,27.27 83.32,26.58 U1.T3
  TOP w0.381: R31.1 v1(63.38,37.39) U5.1
  BOTTOM w0.229: v1(63.38,37.39) 66.05,37.39 72.18,31.25 73.14,31.25 73.86,30.53 78.18,30.53 TP1.1 80.39,28.32 80.39,27.46 v1(80.79,27.06)
FPGA_DQ0: length 22.5
  TOP w0.381: v1(66.3,36.12) U5.2 ; U1.P10 v1(76.79,25.06)
  BOTTOM w0.229: v1(66.3,36.12) 66.67,35.75 66.67,35.57 72.77,29.46 TP4.1 75.31,28.07 78.37,28.07 78.87,27.56 78.87,25.91 78.02,25.06 v1(76.79,25.06)
FPGA_DQ1: length 28
  TOP w0.152: v1(75.79,24.06) 75.79,23.26 75.57,23.04 74.81,23.04 U1.N12
  TOP w0.381: U5.3 v1(63.38,34.85) R27.2
  BOTTOM w0.152: 78.36,26.16 78.36,25.91 78.01,25.56 76.61,25.56 76.29,25.24 76.29,24.56 v1(75.79,24.06)
  BOTTOM w0.229: 78.36,26.16 78.37,26.17 78.37,27.35 78.11,27.61 73.1,27.61 TP5.1 70.2,29.46 64.82,34.85 v1(63.38,34.85)
